# Allegro board fscvmotherboardv2.brd (continued)
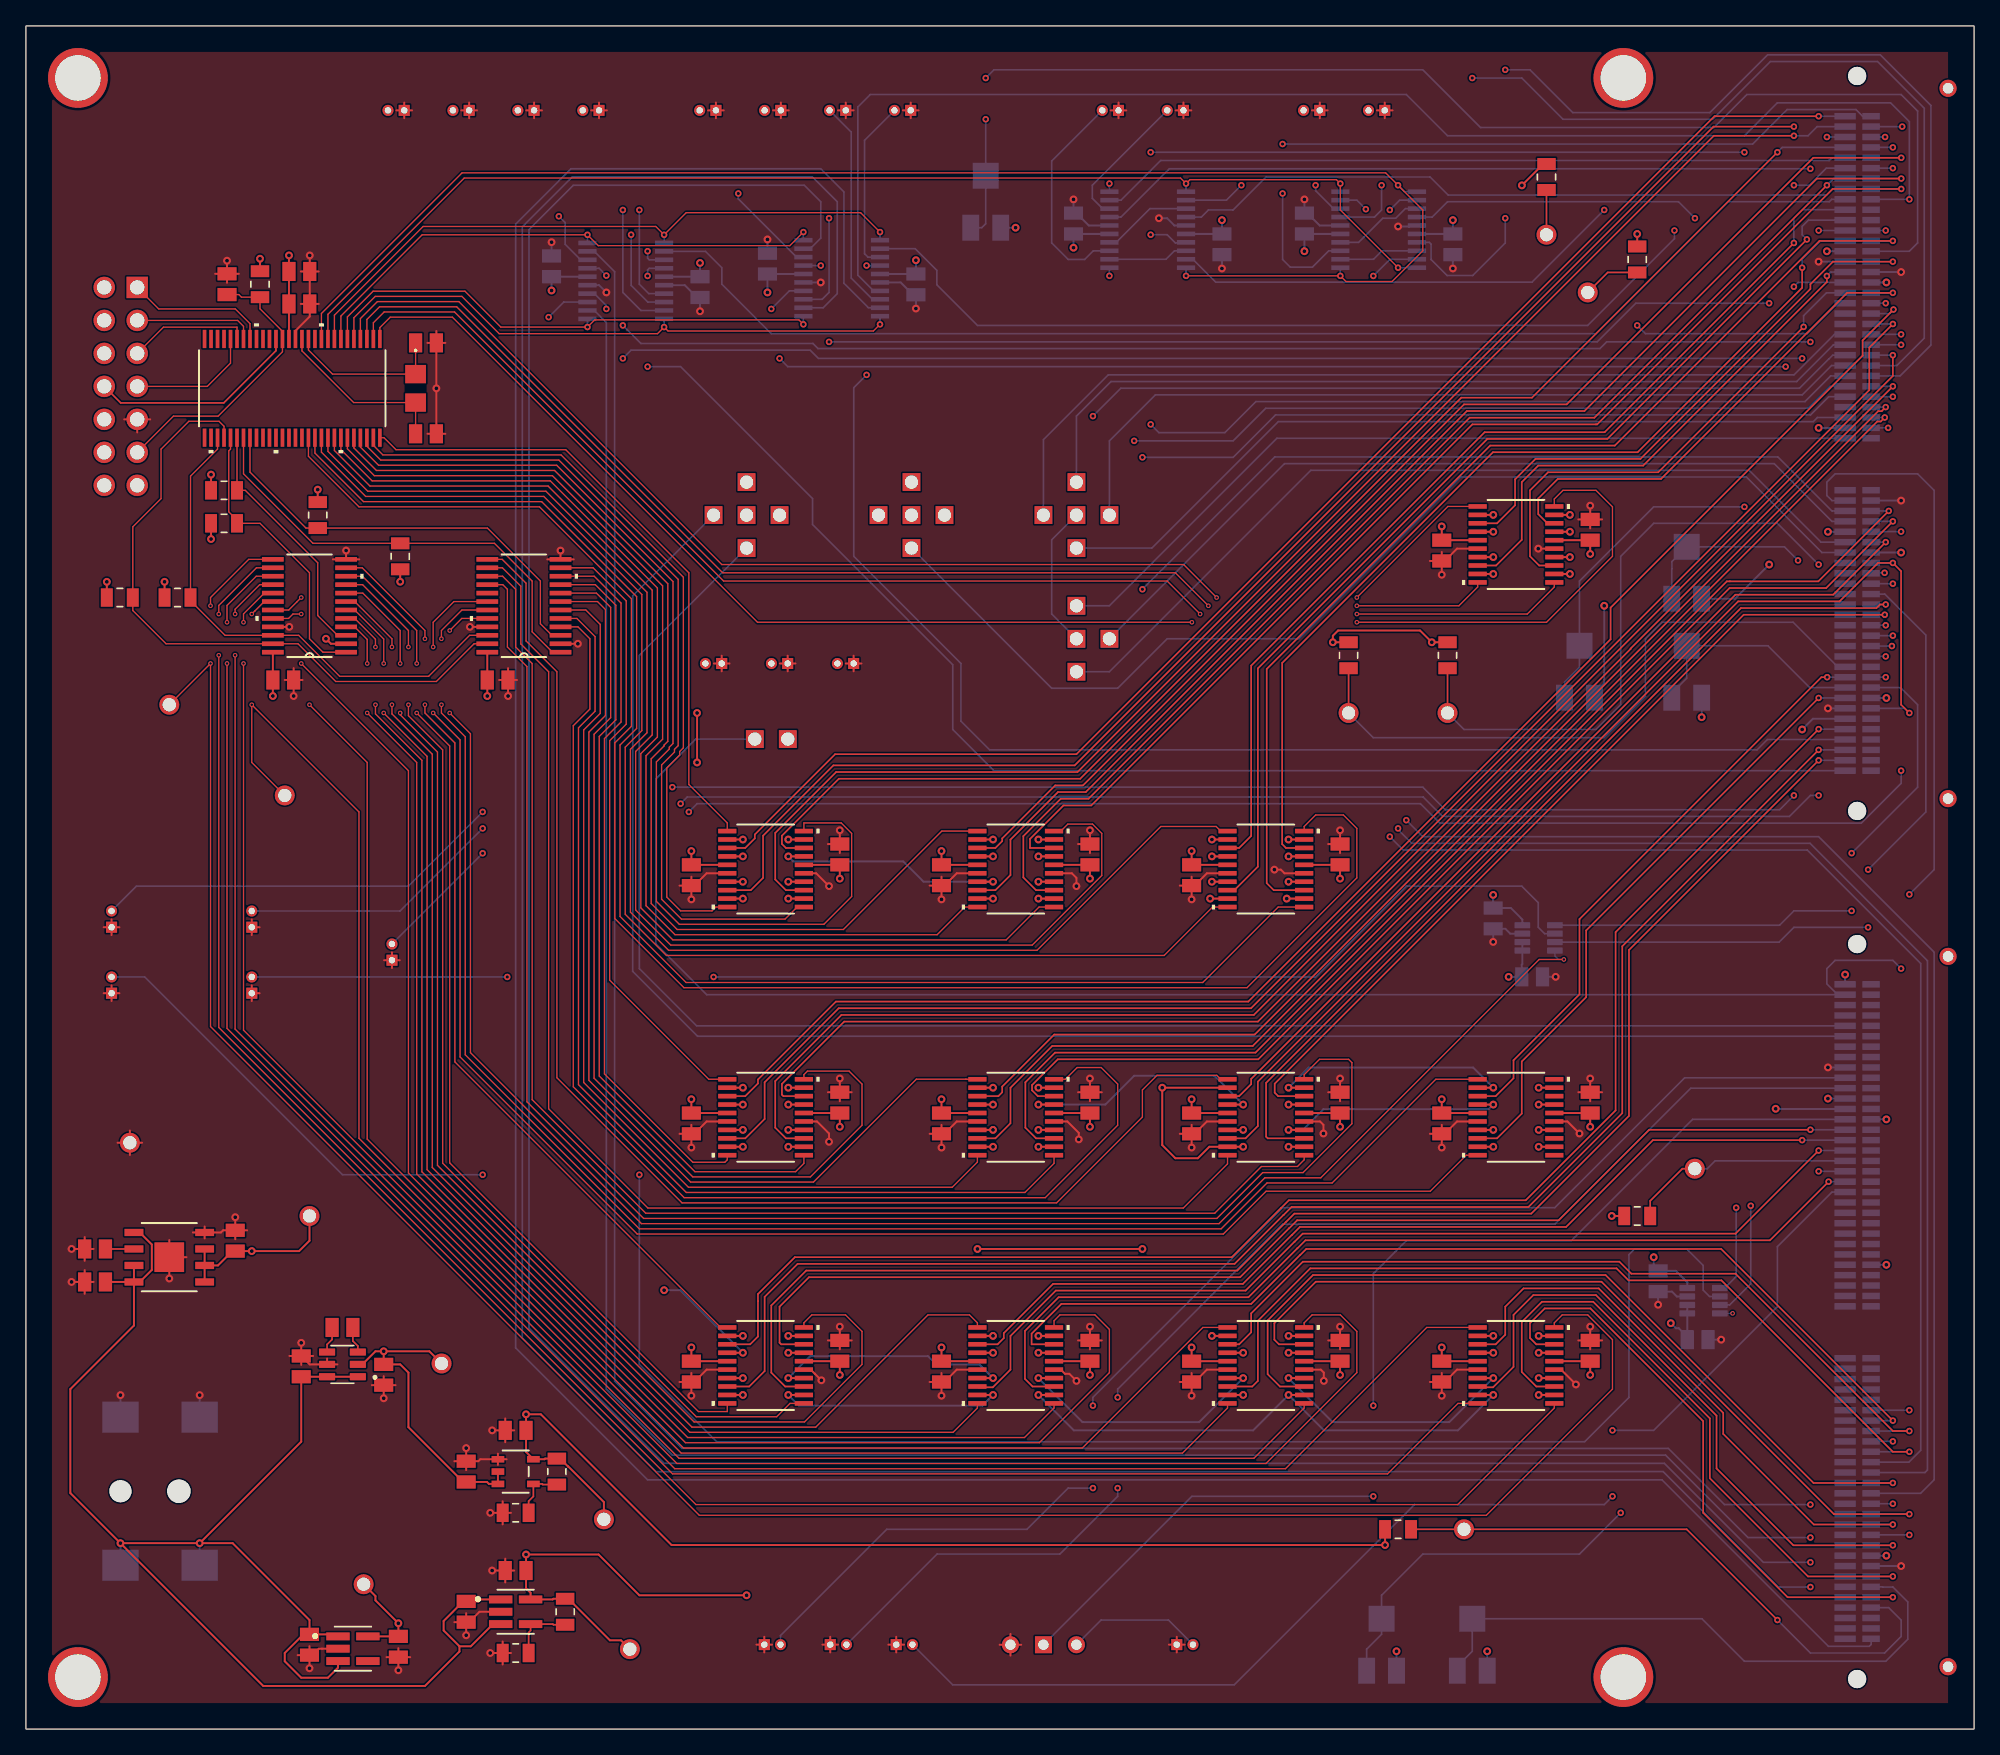
[diagram p0: board, top side]
## Routing (per net, layer and track width the routed paths; a pad name or vN(x,y) marks a point on that pad's centre or on a via; arc(x,y) is an arc through that point) (continued)
VDD_12: length 73.9
  TOP w0.127: v3(136.76,112.53) 136.76,110.99 124.1,98.32 112.96,98.32 96.73,82.1 96.73,68.14 97.02,67.85 U12.18
  BOTTOM w0.127: v3(136.76,112.53) 136.76,113.17 138.19,114.6 J1.13
VDD_34: length 49.3
  TOP w0.127: v3(143.75,14.15) 136.09,14.15 130.17,20.07 130.17,24.13 120.89,33.42 116.07,33.42 114.54,31.89 114.54,27.89 112.96,26.31 111.84,26.31 U9.8
  BOTTOM w0.127: v3(143.75,14.15) J1.231
VDD_56: length 115.7
  TOP w0.127: v3(138.03,77) 122.4,61.37 122.4,47.64 115.48,40.72 97.24,40.72 96.62,40.1 96.61,40.1 92.85,36.34 59.2,36.34 56.36,33.49 56.36,32.95 56.36,30.23 55.76,29.63 U17.3
  BOTTOM w0.127: v3(138.03,77) J1.56
VDD_78: length 38.3
  TOP w0.127: v3(143.75,110.6) 140.23,110.6 125.89,96.27 117.95,96.27 116.44,94.76 116.44,93.56 117.16,92.85 U19.18
  BOTTOM w0.127: v3(143.75,110.6) J1.78
VDD_D: length 88.4
  TOP w0.127: U21.8 93.9,45.49 94.86,46.44 94.86,49.85 131.84,86.84 139.64,86.84 142.6,89.8 v3(143.75,89.8) 144.38,89.17 144.38,78.88 v3(145.02,78.25)
  BOTTOM w0.127: J1.114 144.66,78.6 v3(145.02,78.25) ; v3(143.75,89.8) J1.100
VDD_IT: length 172.9
  POWER w0.127: v3(145.02,64.28) 144.38,63.64 v3(144.38,58.56)
  BOTTOM w0.127: v3(145.02,64.28) 146.93,66.18 146.93,95.39 145.66,96.66 139.31,96.66 138.67,96.03 138.67,94.99 139.06,94.6 J1.34 ; VDD_IT1.TP 51.57,76.23 48.5,73.17 48.5,60.47 52.41,56.55 139.5,56.55 ; v3(144.38,58.56) 143.75,59.2 139.31,59.2 138.67,58.56 138.67,57.38 139.5,56.55 ; 139.5,56.55 J1.122
CH_A_SEL: length 49.5
  TOP w0.1: v3(65.76,115.28) 64.27,116.77 50.84,116.77 v3(49.13,115.07) 48.49,115.71 30.58,115.71 23.75,108.88 U1.8
  BOTTOM w0.127: U20.1 v3(49.13,115.07) ; U18.1 v3(65.76,115.28)
CH_AB_COND_SEL: length 0.6
  BOTTOM w0.127: 83.42,112.53 v3(83.42,111.91)
CH_AB_SEL: length 117.9
  TOP w0.1: v3(89.33,111.91) v3(101.2,111.91) 101.64,111.47 105.19,111.47 107.56,113.84 107.56,116.98 v3(105.65,118.89) 104.7,119.84 33.58,119.84 22.75,109.01 U1.10
  BOTTOM w0.127: 89.33,112.53 v3(89.33,111.91) ; U23.11 106.15,118.39 v3(105.65,118.89) ; 101.2,112.53 v3(101.2,111.91)
CH_B_SEL: length 45.8
  TOP w0.1: v3(65.76,108.17) 65.25,107.66 49.44,107.66 v3(49.13,107.96) 48.63,107.46 36.44,107.46 33.56,110.33 26.89,110.33 25.25,108.68 U1.5
  BOTTOM w0.127: U18.10 v3(65.76,108.17) ; U20.10 v3(49.13,107.96)
CH_C_SEL: length 40.4
  TOP w0.1: U1.6 24.75,108.75 26.73,110.73 33.8,110.73 36.56,107.96 v3(43.23,107.96) 43.79,108.52 59.52,108.52 v3(59.86,108.17)
  BOTTOM w0.127: U20.11 v3(43.23,107.96) ; U18.11 v3(59.86,108.17)
CH_CD_COND_SEL: length 0.6
  BOTTOM w0.127: U22.10 v3(83.42,119.01)
CH_CD_SEL: length 95.7
  TOP w0.1: v3(105.65,112.53) 101.2,116.98 v3(101.2,119.01) 100.9,119.31 89.63,119.31 v3(89.33,119.01) 88.9,119.44 33.75,119.44 23.25,108.94 U1.9
  BOTTOM w0.127: 107.11,112.53 v3(105.65,112.53) ; U23.10 v3(101.2,119.01) ; U22.11 v3(89.33,119.01)
CH_D_SEL: length 42
  TOP w0.1: v3(59.86,115.28) 58.82,114.23 44.07,114.23 v3(43.23,115.07) 30.5,115.07 24.25,108.81 U1.7
  BOTTOM w0.127: U18.20 v3(59.86,115.28) ; U20.20 v3(43.23,115.07)
CH_EN_1: length 79
  TOP w0.127: U12.8 93.04,64.6 94.86,66.41 94.86,81.68 112.53,99.35 121.77,99.35 v3(137.13,114.71)
  BOTTOM w0.127: v3(137.13,114.71) 136.76,115.08 136.76,115.71 137.26,116.2 J1.11
CH_EN_1_SEL: length 104.7
  TOP w0.1: U1.47 22.75,98.33 26.16,94.92 39.87,94.92 47.42,87.37 47.42,76.89 46.14,75.61 46.14,62.74 49.31,59.57 87.64,59.57 91.37,63.3 U12.10
CH_EN_2: length 109.6
  TOP w0.127: U16.3 55.38,67.85 56.12,68.59 56.12,68.89 62.3,75.07 80.89,75.07 130.01,124.2 v3(138.03,124.2)
  BOTTOM w0.127: v3(138.03,124.2) J1.1
CH_EN_2_SEL: length 49.2
  TOP w0.1: U16.1 54,69.78 51.04,72.74 51.04,89.04 41.56,98.52 28.49,98.52 27.57,99.44 U1.56
CH_EN_3: length 45.2
  TOP w0.127: U9.3 113.16,29.63 113.91,30.37 113.91,32.52 115.31,33.93 121.1,33.93 130.69,24.35 130.69,22.73 137.66,15.75 v3(143.75,15.75)
  BOTTOM w0.127: v3(143.75,15.75) J1.229
CH_EN_3_SEL: length 150.2
  TOP w0.1: v1(16.1,82.69) 16.1,53.9 49.96,20.05 96.98,20.05 107.86,30.93 U9.1 ; v1(16.1,85.87) 16.1,86.23 18,88.12 U6.16
  POWER w0.1: v1(16.1,85.87) v1(16.1,82.69)
CH_EN_4: length 78.7
  TOP w0.127: U24.18 77.43,29.63 77.43,30.45 79.73,32.74 94.34,32.74 98.11,36.5 98.11,36.5 98.58,36.97 130.53,36.97 v3(143.75,23.75)
  BOTTOM w0.127: v3(143.75,23.75) J1.219
CH_EN_4_SEL: length 117.7
  TOP w0.1: v1(26.28,78.25) 30.08,74.44 30.08,42.75 50.78,22.05 78.03,22.05 83.42,27.45 83.42,30.78 82.31,31.89 79.62,31.89 79.16,31.44 U24.20 ; v1(26.28,82.06) 26.28,83.91 25.31,84.88 U6.4
  POWER w0.1: v1(26.28,82.06) v1(26.28,78.25)
CH_EN_5: length 117.3
  TOP w0.127: v3(138.03,75.4) 122.92,60.28 122.92,47.43 115.69,40.21 97.45,40.21 96.84,39.59 96.83,39.59 93.06,35.82 59.42,35.82 56.88,33.28 56.88,27.57 55.69,26.38 U17.8
  BOTTOM w0.127: v3(138.03,75.4) J1.58
CH_EN_5_SEL: length 79.1
  TOP w0.1: v1(30.08,78.25) 32.62,75.71 32.62,43.6 51.78,24.45 54,24.45 U17.10 ; U6.10 25.91,88.78 30.08,84.6 v1(30.08,82.06)
  POWER w0.1: v1(30.08,82.06) v1(30.08,78.25)
CH_EN_6: length 92.7
  TOP w0.127: U13.18 77.31,67.85 77.31,68.55 79.89,71.13 82.03,71.13 111.37,100.47 120.98,100.47 139.11,118.6 v3(144.4,118.6)
  BOTTOM w0.127: J1.68 v3(144.4,118.6)
CH_EN_6_SEL: length 101.7
  TOP w0.1: U1.49 23.75,98.46 26.49,95.72 40.2,95.72 48.22,87.7 48.22,76.56 46.94,75.28 46.94,63.07 49.65,60.37 77.48,60.37 82.84,65.73 82.84,68.97 82.12,69.69 80.22,69.69 79.68,69.15 U13.20
CH_EN_7: length 119
  TOP w0.127: U15.3 55.38,48.74 56.36,49.72 56.36,50.02 62.37,56.02 94.12,56.02 122.02,83.92 122.02,86.36 141.42,105.76 141.42,106.94 v3(143.8,109.31)
  BOTTOM w0.127: v3(143.8,109.31) 143.48,109 J1.80
CH_EN_7_SEL: length 48.1
  TOP w0.1: 41.16,89.43 43.67,89.43 46.22,86.88 46.22,77.38 44.94,76.11 44.94,57.67 52.58,50.04 U15.1
CH_EN_8: length 95.5
  TOP w0.127: v3(143.13,101) 142.82,100.69 142.55,100.69 94.46,52.6 79.03,52.6 75.81,49.38 75.81,46.65 74.64,45.49 U14.8
  BOTTOM w0.127: v3(143.13,101) J1.90
CH_EN_8_SEL: length 74.3
  TOP w0.1: U4.6 43.11,86.18 44.22,85.07 44.22,78.21 42.94,76.94 42.94,49.79 51.01,41.72 71.32,41.72 73.26,43.66 U14.10
CH_EN_D: length 92.1
  TOP w0.127: U14.13 77.78,45.49 76.95,46.31 76.95,49.8 79.24,52.09 94.67,52.09 130.97,88.38 131.2,88.38 138.01,88.38 v3(143.43,93.8)
  BOTTOM w0.127: J1.95 143.43,93.8 v3(143.43,93.8)
CH_EN_D_SEL: length 79.9
  TOP w0.1: U4.5 42.42,85.53 43.82,84.13 43.82,78.38 42.54,77.1 42.54,49.62 50.85,41.32 76.92,41.32 79.16,43.56 U14.11
CH_OUT_A: length 13.3
  BOTTOM w0.127: J5.1 64.57,122.34 64.57,113.61 64.83,113.35 U18.3
CH_OUT_B: length 16.5
  BOTTOM w0.127: U18.8 65.18,110.1 63.54,111.74 63.54,122.98 J9.1
CH_OUT_C: length 18.3
  POWER w0.127: v3(61.84,116.34) 61.84,119.69 J13.1
  BOTTOM w0.127: v3(61.84,116.34) 61.84,110.63 61.31,110.1 U18.13
CH_OUT_D: length 14.9
  POWER w0.127: v3(54.85,118.25) 54.85,121.68 J17.1
  BOTTOM w0.127: U18.18 59.34,113.35 54.85,117.84 v3(54.85,118.25)
CH_OUTPUT_1: length 80.8
  POWER w0.127: v3(126.93,115.4) v3(138.03,115.4)
  BOTTOM w0.127: v3(126.93,115.4) 126.93,114.77 120.25,108.09 73.27,108.09 70.14,111.22 70.14,112.33 68.47,114 U18.2 ; v3(138.03,115.4) J1.12
CH_OUTPUT_2: length 239.3
  BOTTOM w0.127: J1.240 142.07,6.51 141.93,6.37 138.79,6.37 125.97,19.19 47.86,19.19 37.7,29.35 37.7,115.89 41.97,120.16 61.2,120.16 62.98,118.37 62.98,111.33 64.87,109.45 U18.9
CH_OUTPUT_3: length 232.1
  POWER w0.127: v3(145.02,14.95) 145.02,14.11 143.12,12.21 138.03,12.21 v3(137.4,12.84)
  BOTTOM w0.127: v3(137.4,12.84) 133.77,12.84 126.15,20.46 49.13,20.46 38.73,30.86 38.73,115.47 42.15,118.89 59.93,118.89 61.2,117.62 61.2,114.82 60.38,114 U18.19 ; J1.230 v3(145.02,14.95)
CH_OUTPUT_4: length 254
  POWER w0.127: v3(145.02,24.55) 146.29,23.28 146.29,13.48 143.75,10.94 v3(137.4,10.94)
  BOTTOM w0.127: v3(145.02,24.55) J1.218 ; v3(137.4,10.94) 134.95,10.94 126.06,19.83 48.5,19.83 38.22,30.11 38.22,115.68 42.06,119.52 60.56,119.52 62.47,117.62 62.47,110.54 61.38,109.45 U18.12
CH_OUTPUT_5: length 109.3
  POWER w0.127: v3(64.73,104.28) v3(64.73,112.7)
  BOTTOM w0.127: v3(64.73,104.28) 63.74,103.29 63.74,90.31 72,82.06 72,77.61 74.2,75.4 133.29,75.4 134.09,76.2 J1.57 ; v3(64.73,112.7) U18.4
CH_OUTPUT_6: length 108.4
  BOTTOM w0.127: J1.69 v3(145.02,117.8) 145.02,123.78 143.57,125.23 134.85,125.23 132.32,122.7 109.46,122.7 106.28,125.87 65.01,125.87 64.06,124.92 64.06,111.96 65.26,110.75 U18.7
CH_OUTPUT_7: length 91.2
  POWER w0.127: v3(61.84,106.82) 61.84,112.06 v3(61.2,112.7) ; v3(134.22,109.8) v3(143.2,109.8)
  BOTTOM w0.127: v3(61.84,106.82) 120.98,106.82 123.96,109.8 v3(134.22,109.8) ; J1.79 v3(143.2,109.8) ; v3(61.2,112.7) U18.17
CH_OUTPUT_8: length 96
  POWER w0.127: v3(58.02,105.55) 57.39,106.19 v3(57.39,109.36) ; v3(143.38,100.2) 140.21,100.2 v3(135.5,104.92)
  BOTTOM w0.127: J1.91 v3(143.38,100.2) ; v3(57.39,109.36) 58.78,110.75 U18.14 ; v3(58.02,105.55) 58.66,104.92 v3(135.5,104.92)
CM: length 88.5
  POWER w0.127: v3(103.75,17.92) v3(103.75,24.91)
  BOTTOM w0.127: SW1.1 89.78,17.92 v3(103.75,17.92) ; v3(103.75,24.91) 103.75,35.07 106.28,37.61 118.98,37.61 128.33,46.95 J1.134
CM_EXT: length 10.5
  BOTTOM w0.127: J22.1 87.96,8.4 82.79,8.4 SW1.2
COND_EN_1: length 90.2
  TOP w0.127: v3(138.67,118.89) 120.77,100.98 111.16,100.98 81.82,71.64 79.68,71.64 76.8,68.76 76.8,65.58 77.78,64.6 U13.13
  BOTTOM w0.127: J1.7 139.19,119.4 v3(138.67,118.89)
COND_EN_1_SEL: length 88.8
  TOP w0.1: U1.50 24.25,98.52 26.65,96.12 40.37,96.12 48.62,87.87 48.62,76.39 47.34,75.11 47.34,63.24 49.81,60.77 75.47,60.77 78,63.3 U13.11
COND_EN_2: length 106.3
  TOP w0.127: v3(134.86,121.43) 115.96,102.53 110.52,102.53 81.18,73.18 62.6,73.18 58.21,68.79 58.21,68.16 58.52,67.85 U16.18
  BOTTOM w0.127: v3(134.86,121.43) 135.24,121.8 J1.4
COND_EN_2_SEL: length 80.4
  TOP w0.1: U1.53 25.75,98.72 27.15,97.32 40.87,97.32 49.82,88.37 49.82,75.89 49.53,75.61 49.53,75.47 48.54,74.48 48.54,63.74 50.31,61.97 61.44,61.97 63.58,64.11 63.58,68.97 62.77,69.78 59.9,69.78 U16.20
COND_EN_3: length 65.2
  TOP w0.127: U11.13 96.56,26.38 95.61,27.33 95.61,31.46 99.1,34.96 121.63,34.96 137.64,18.95 v3(143.75,18.95)
  BOTTOM w0.127: v3(143.75,18.95) J1.225
COND_EN_3_SEL: length 138.8
  TOP w0.1: U6.18 18.35,86.83 17.64,86.11 17.63,86.11 v1(17.39,85.87) ; U11.11 98.42,24.72 94.55,20.85 50.29,20.85 25.64,45.5 25.64,70.62 v1(17.39,78.88) 17.39,74.44 TP2.TP
  POWER w0.1: v1(17.39,78.88) v1(17.39,85.87)
COND_EN_4: length 67.8
  TOP w0.127: U11.8 94.42,26.38 94.86,26.81 94.86,31.44 98.89,35.47 122.48,35.47 123.4,34.55 130.55,34.55 143.75,21.35 v3(145.02,21.35)
  BOTTOM w0.127: v3(145.02,21.35) J1.222
COND_EN_4_SEL: length 124.4
  TOP w0.1: U11.10 92.52,24.72 89.05,21.25 50.45,21.25 26.28,45.43 26.28,74.44 v1(21.83,78.88) ; v1(21.19,87.14) 20.84,86.78 20.23,86.18 U6.19
  POWER w0.1: v1(21.83,78.88) 21.83,86.5 v1(21.19,87.14)
COND_EN_5: length 119.1
  TOP w0.127: U16.8 55.81,64.6 56.76,65.55 56.76,68.79 62.17,74.21 80.75,74.21 129.94,123.4 v3(136.13,123.4)
  POWER w0.127: v3(144.47,123.4) v3(136.13,123.4)
  BOTTOM w0.127: J1.62 v3(144.47,123.4)
COND_EN_5_SEL: length 59
  TOP w0.1: U1.55 26.75,98.85 27.48,98.12 41.2,98.12 50.62,88.7 50.62,75.56 50.34,75.28 50.34,75 49.34,74.01 49.34,64.07 50.41,63.01 52.83,63.01 53.12,63.3 U16.10
COND_EN_6: length 95.6
  TOP w0.127: v3(144.4,121) 137.62,121 118.63,102.01 110.73,102.01 81.39,72.67 79.25,72.67 75.17,68.59 75.17,68.38 74.64,67.85 U13.3
  BOTTOM w0.127: v3(144.4,121) J1.65
COND_EN_6_SEL: length 83.5
  TOP w0.1: U13.1 70.52,69.15 62.94,61.57 50.14,61.57 48.14,63.57 48.14,74.71 49.13,75.7 49.13,75.77 49.42,76.06 49.42,88.2 40.7,96.92 26.98,96.92 25.25,98.65 U1.52
COND_EN_7: length 118
  TOP w0.127: U15.13 58.52,45.49 57.69,46.31 57.69,49.89 62.79,54.99 94.54,54.99 143.75,104.2 v3(143.75,105.8)
  BOTTOM w0.127: v3(143.75,105.8) J1.84
COND_EN_7_SEL: length 61.4
  TOP w0.1: U4.9 43.84,88.12 45.42,86.54 45.42,77.72 44.14,76.44 44.14,50.29 51.51,42.92 59.26,42.92 59.9,43.56 U15.11
COND_EN_8: length 112.1
  TOP w0.127: v3(143.75,103.4) 123.56,83.21 123.56,83.18 94.86,54.48 63,54.48 58.21,49.68 58.21,48.85 58.32,48.74 U15.18
  BOTTOM w0.127: v3(143.75,103.4) J1.87
COND_EN_8_SEL: length 75.1
  TOP w0.1: U4.8 43.92,87.48 45.02,86.38 45.02,77.88 43.74,76.61 43.74,50.12 51.34,42.52 60.4,42.52 64.38,46.5 64.38,49.67 63.38,50.67 60.17,50.67 59.9,50.39 U15.20
COND_EN_D: length 66.1
  TOP w0.127: U21.18 96.42,48.74 96.15,49.01 96.15,49.7 132.27,85.81 v3(143.13,85.81)
  BOTTOM w0.127: v3(143.13,85.81) 142.95,85.81 142.94,85.8 J1.105
COND_EN_D_SEL: length 121.4
  TOP w0.1: U4.16 36.72,88.12 37.07,87.77 37.07,83.33 38.58,81.82 38.58,48.3 47.56,39.32 91.7,39.32 95.23,42.85 98.33,42.85 102.1,46.62 102.1,51.32 101.84,51.58 99.6,51.58 98.42,50.39 U21.20
EN_12_SEL: length 127.9
  TOP w0.1: U1.45 21.75,98.01 25.64,94.12 39.54,94.12 46.62,87.04 46.62,77.22 45.34,75.94 45.34,62.41 50.66,57.09 94.02,57.09 102.47,65.55 102.47,69.36 101.44,70.39 99.31,70.39 98.42,69.5 U12.20
EN_34_SEL: length 149.8
  TOP w0.1: U6.15 17.73,88.78 15.48,86.52 v1(15.48,85.23) ; U9.10 110.27,25.08 104.84,19.65 49.79,19.65 15.48,53.96 v1(15.48,82.06)
  POWER w0.1: v1(15.48,82.06) v1(15.48,85.23)
EN_56_SEL: length 71.7
  TOP w0.1: 24.65,89.43 25.89,89.43 30.72,84.59 v1(30.72,83.96) ; U17.1 53.48,30.93 33.03,51.38 33.03,75.94 30.72,78.25 v1(30.72,78.88)
  POWER w0.1: v1(30.72,83.96) v1(30.72,78.88)
EN_78_SEL: length 117.6
  TOP w0.1: U1.1 27.25,107.93 28.05,108.73 32.83,108.73 56.33,85.23 v1(89.78,85.23) ; U19.20 117.68,94.72 118.35,95.39 120.89,95.39 122.16,94.12 122.16,90.31 117.08,85.23 v1(102.47,85.23)
  POWER w0.1: v1(89.78,85.23) v1(102.47,85.23)
EN_D_SEL: length 101.8
  TOP w0.1: U21.10 92.52,43.53 89.11,40.12 47.89,40.12 40.25,47.76 40.25,81.42 38.11,83.56 38.11,88.01 36.69,89.43 35.52,89.43
HP_BYPASS_EN_1: length 76.7
  TOP w0.127: U12.3 93.41,67.85 94.34,68.78 94.34,81.89 112.32,99.87 121.56,99.87 v3(136.13,114.44)
  BOTTOM w0.127: v3(136.13,114.44) 136.13,116.34 136.78,117 J1.10
HP_BYPASS_EN_1_SEL: length 106.6
  TOP w0.1: U12.1 92,69.15 91.64,69.5 87.38,69.5 77.85,59.97 49.48,59.97 46.54,62.91 46.54,75.45 47.82,76.72 47.82,87.54 40.04,95.32 26.32,95.32 23.25,98.39 U1.48
HP_BYPASS_EN_2: length 111
  TOP w0.127: U16.13 58.52,64.6 57.69,65.42 57.69,69.01 62.38,73.7 80.96,73.7 129.96,122.7 v3(136.13,122.7)
  BOTTOM w0.127: v3(136.13,122.7) 137.22,122.7 137.92,123.4 J1.2
HP_BYPASS_EN_2_SEL: length 66
  TOP w0.1: U16.11 59.38,63.3 58.45,62.37 50.47,62.37 48.94,63.9 48.94,74.24 49.94,75.24 49.94,75.44 50.22,75.73 50.22,88.53 41.03,97.72 27.32,97.72 26.25,98.79 U1.54
HP_BYPASS_EN_3: length 64.3
  TOP w0.127: U11.18 96.48,29.63 96.12,29.98 96.12,31.26 99.32,34.45 121.31,34.45 139.21,16.55 v3(145.02,16.55)
  BOTTOM w0.127: v3(145.02,16.55) J1.228
HP_BYPASS_EN_3_SEL: length 145.8
  TOP w0.1: v1(16.75,85.23) 16.75,85.87 18.35,87.48 U6.17 ; v1(16.75,82.06) 16.75,53.82 50.12,20.45 95.48,20.45 102.47,27.45 102.47,30.62 101.2,31.89 99.03,31.89 98.42,31.28 U11.20
  POWER w0.1: v1(16.75,82.06) v1(16.75,85.23)
HP_BYPASS_EN_4: length 64.3
  TOP w0.127: U11.3 93.41,29.63 94.34,30.55 94.34,32.01 98.32,35.99 122.69,35.99 123.61,35.07 131.63,35.07 143.75,22.95 v3(145.02,22.95)
  BOTTOM w0.127: v3(145.02,22.95) J1.220
HP_BYPASS_EN_4_SEL: length 124.5
  TOP w0.1: U6.20 20.22,85.53 20.56,85.87 v1(21.19,85.87) ; v1(21.19,82.06) 29.45,73.8 29.45,42.82 50.62,21.65 81.34,21.65 90.62,30.93 U11.1
  POWER w0.1: v1(21.19,85.87) v1(21.19,82.06)
HP_BYPASS_EN_5: length 115.7
  TOP w0.127: v3(138.03,74.6) 123.43,60 123.43,47.22 115.91,39.69 97.67,39.69 97.05,39.07 97.04,39.07 93.28,35.31 60.08,35.31 57.39,32.62 57.39,27.45 58.46,26.38 U17.13
  BOTTOM w0.127: J1.59 v3(138.03,74.6)
HP_BYPASS_EN_5_SEL: length 84.7
  TOP w0.1: v1(29.45,78.88) 29.45,78.04 32.08,75.4 32.08,43.58 51.61,24.05 57.8,24.05 58.83,25.08 U17.11 ; v1(29.45,83.33) 29.45,84.59 25.92,88.12 U6.9
  POWER w0.1: v1(29.45,83.33) v1(29.45,78.88)
HP_BYPASS_EN_6: length 97.8
  TOP w0.127: U13.8 74.64,64.6 75.81,65.76 75.81,68.49 79.46,72.15 81.6,72.15 110.95,101.5 120,101.5 137.9,119.4 v3(144.4,119.4)
  BOTTOM w0.127: J1.67 v3(144.4,119.4)
HP_BYPASS_EN_6_SEL: length 82
  TOP w0.1: U1.51 24.75,98.59 26.82,96.52 40.53,96.52 49.02,88.03 49.02,76.23 47.74,74.95 47.74,63.4 49.98,61.17 70.16,61.17 72.29,63.3 U13.10
HP_BYPASS_EN_7: length 121
  TOP w0.127: v3(143.75,108.2) 141.93,106.38 141.93,103.11 94.33,55.51 62.58,55.51 56.88,49.8 56.88,46.98 55.38,45.49 U15.8
  BOTTOM w0.127: v3(143.75,108.2) J1.81
HP_BYPASS_EN_7_SEL: length 55
  TOP w0.1: U15.10 54,43.83 53.81,43.65 51.35,43.65 44.54,50.45 44.54,76.27 45.82,77.55 45.82,86.71 43.75,88.78 U4.10
HP_BYPASS_EN_8: length 93.3
  TOP w0.127: U14.3 74.87,48.74 75.17,49.04 75.17,49.47 79.18,53.48 94.61,53.48 142.62,101.49 142.89,101.49 v3(143.2,101.8)
  BOTTOM w0.127: J1.89 v3(143.2,101.8)
HP_BYPASS_EN_8_SEL: length 76.9
  TOP w0.1: U14.1 72.38,50.04 72.38,50.04 68.56,50.04 60.63,42.12 51.18,42.12 43.34,49.95 43.34,76.77 44.62,78.05 44.62,86.21 44.01,86.83 U4.7
HP_BYPASS_EN_D: length 88.2
  TOP w0.127: U14.18 77.91,48.74 77.47,49.18 77.47,49.59 79.45,51.58 94.89,51.58 131.18,87.87 138.62,87.87 v3(143.75,93)
  BOTTOM w0.127: v3(143.75,93) J1.96
HP_BYPASS_EN_D_SEL: length 94.4
  TOP w0.1: U4.4 42.5,84.88 43.42,83.96 43.42,78.54 42.14,77.27 42.14,49.46 50.68,40.92 78.48,40.92 84.06,46.5 84.06,49.67 82.79,50.94 80.94,50.94 80.04,50.04 U14.20
HPF_OUT_BUF: length 135
  POWER w0.127: v3(144.38,73.8) 145.66,75.07 145.66,80.15 v3(143.2,82.6) ; v3(51.04,70.62) 47.86,67.44 v3(35.17,67.44)
  BOTTOM w0.127: J1.109 v3(143.2,82.6) ; v3(51.04,70.62) 51.67,71.26 107.37,71.26 108.87,69.76 141.32,69.76 144.38,72.83 v3(144.38,73.8) ; J20.1 v3(35.17,67.44)
IBX_PR: length 17.4
  TOP w0.127: IBX PR.TP 127.54,43.15 125.06,40.67 R14.1
  BOTTOM w0.127: IBX PR.TP 129.46,43.15 130.06,43.75 J1.138
IIN_PR: length 99.5
  POWER w0.127: v3(84.06,18.56) v3(84.06,25.54)
  BOTTOM w0.127: J1.131 128.19,49.35 117.72,38.88 96.76,38.88 84.06,26.18 v3(84.06,25.54) ; J23.1 70.15,13.48 79.62,13.48 84.06,17.92 v3(84.06,18.56)
INT1: length 35.2
  TOP w0.1: U1.35 16.75,96.66 22.1,91.31 R2.1 36.07,91.31 38.97,88.41 38.97,84.49 40.54,82.93 41.16,82.93
INT2: length 22.4
  TOP w0.1: 24.65,82.93 22.86,82.93 21.83,83.96 21.83,89.04 18.02,92.85 R6.1 16.25,93.1 15.61,93.74 15.61,98.43 15.75,98.56 U1.33
IREF_EN_12: length 40.5
  TOP w0.127: U19.8 113.19,89.6 115.17,91.58 115.17,96.03 116.44,97.3 124.52,97.3 138.67,111.44 v3(138.67,111.9)
  BOTTOM w0.127: v3(138.67,111.9) 138.97,112.2 J1.16
IREF_EN_12_SEL: length 97.9
  TOP w0.1: U19.10 111.78,87.95 110.33,86.5 v1(102.47,86.5) ; U1.3 26.25,108.55 27.22,109.53 33.16,109.53 53.65,89.04 88.5,89.04 v1(91.05,86.5)
  POWER w0.1: v1(91.05,86.5) v1(102.47,86.5)
IREF_EN_34: length 49.2
  TOP w0.127: v3(143.75,11.75) 137.22,11.75 129.66,19.31 129.66,23.92 120.68,32.9 116.73,32.9 115.17,31.35 115.17,27.5 116.3,26.38 U9.13
  BOTTOM w0.127: v3(143.75,11.75) J1.234
IREF_EN_34_SEL: length 159.4
  TOP w0.1: v1(14.84,82.69) 14.84,54.03 51.59,17.29 110.24,17.29 117.68,24.72 U9.11 ; 19.01,89.43 17.75,89.43 14.84,86.52 v1(14.84,85.87)
  POWER w0.1: v1(14.84,82.69) v1(14.84,85.87)
IREF_EN_56: length 47.7
  TOP w0.127: v3(138.03,79.4) 120.13,61.5 120.13,56.37 115.17,51.41 115.17,47.39 113.27,45.49 U10.8
  BOTTOM w0.127: v3(138.03,79.4) J1.53
IREF_EN_56_SEL: length 125.7
  TOP w0.1: U4.18 32.95,86.83 31.36,85.23 v1(31.36,83.33) ; U10.10 110.9,44.19 108.13,41.42 95.49,41.42 92.19,38.12 47.06,38.12 33.42,51.76 33.42,76.18 v1(31.36,78.25)
  POWER w0.1: v1(31.36,78.25) v1(31.36,83.33)
IREF_EN_78: length 43.4
  TOP w0.127: v3(143.75,113) 139.13,113 137.4,111.27 137.4,110.9 124.31,97.81 116.23,97.81 114.66,96.24 114.66,94.24 113.27,92.85 U19.3
  BOTTOM w0.127: v3(143.75,113) J1.75
IREF_EN_78_SEL: length 100.5
  TOP w0.1: v1(102.47,87.14) 109.49,94.15 U19.1 ; U1.4 25.75,108.62 27.06,109.93 33.33,109.93 53.58,89.68 89.14,89.68 v1(91.68,87.14)
  POWER w0.1: v1(91.68,87.14) v1(102.47,87.14)
IREF_EN_D: length 71.2
  TOP w0.127: U21.13 95.62,45.49 95.49,45.62 95.49,49.76 132.05,86.32 142.48,86.32 142.76,86.6 v3(143.2,86.6)
  BOTTOM w0.127: J1.104 v3(143.2,86.6)
IREF_EN_D_SEL: length 107.6
  TOP w0.1: U21.11 98.42,43.83 97.91,43.32 95.13,43.32 91.53,39.72 47.72,39.72 38.97,48.47 38.97,82.06 37.7,83.33 37.7,87.77 36.7,88.78 U4.15
IREF_IBX_12: length 26.6
  TOP w0.127: R15.1 121.8,112.17 IREF IBX 12.TP
  POWER w0.127: IREF IBX 12.TP 121.53,110.63 v3(124.06,108.09)
  BOTTOM w0.127: J1.19 139.5,109.8 137.16,107.46 124.7,107.46 v3(124.06,108.09)